# KiCad board MoBo_V2-1.kicad_pcb
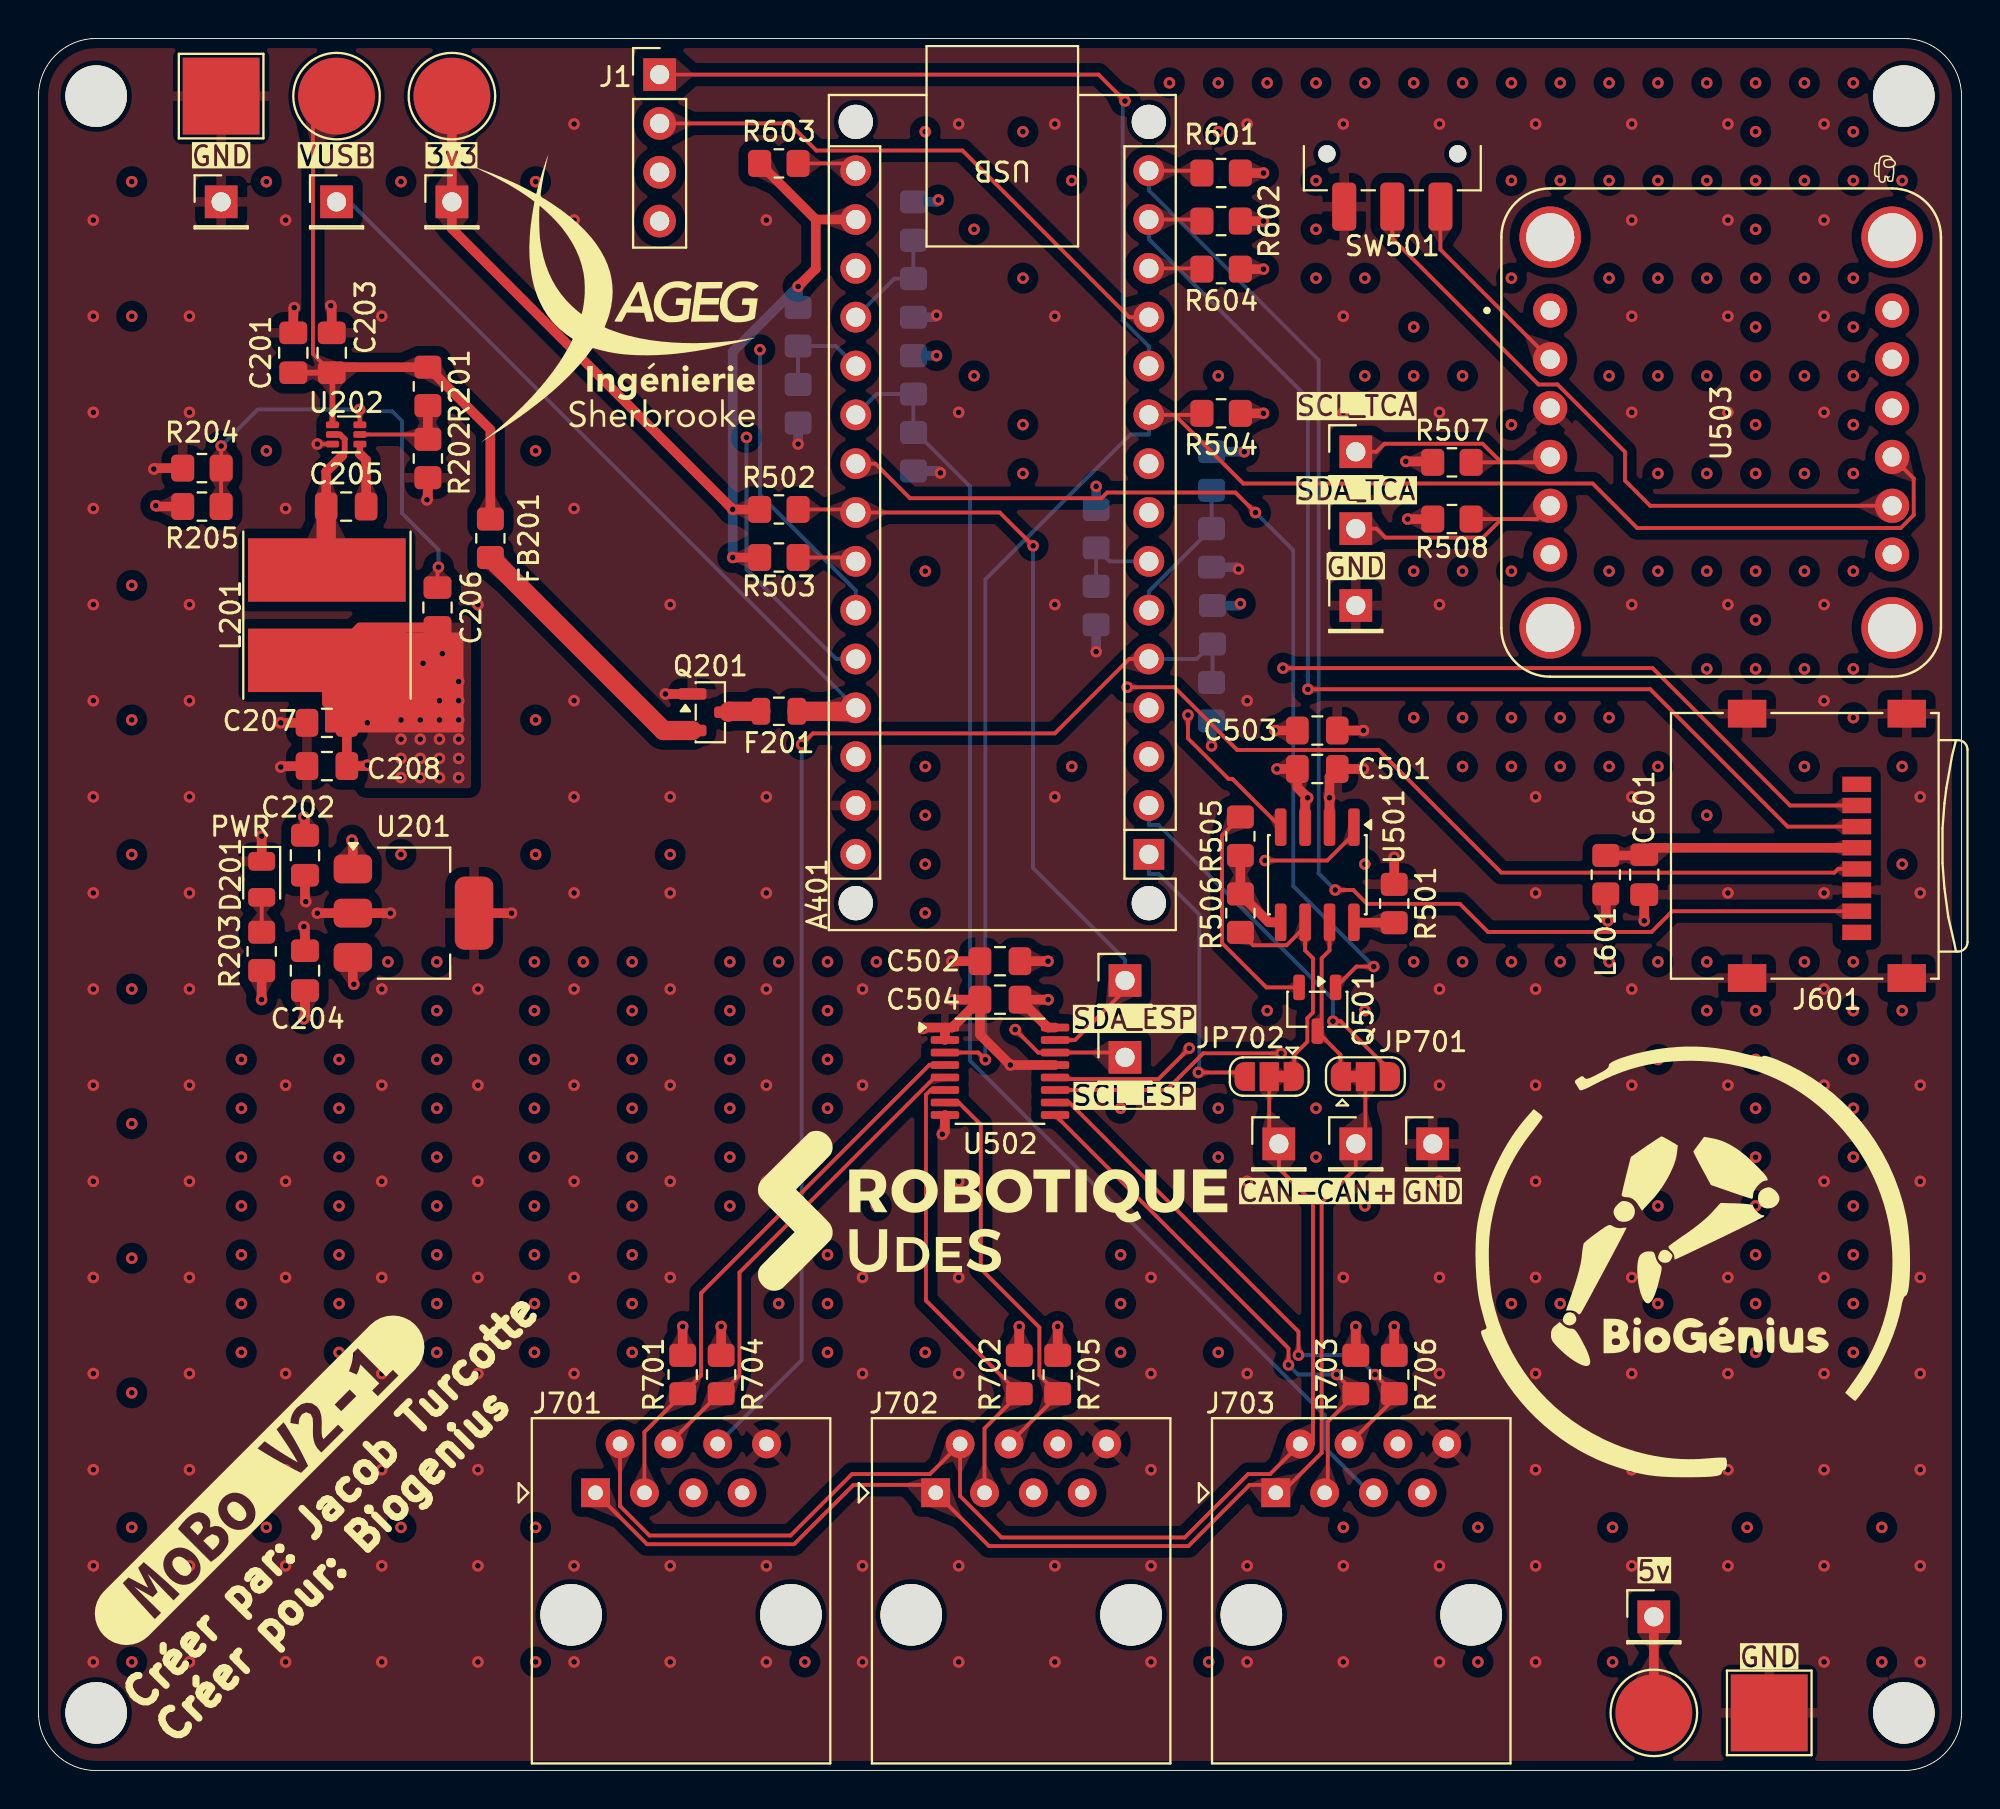
[diagram p0: board, top side]
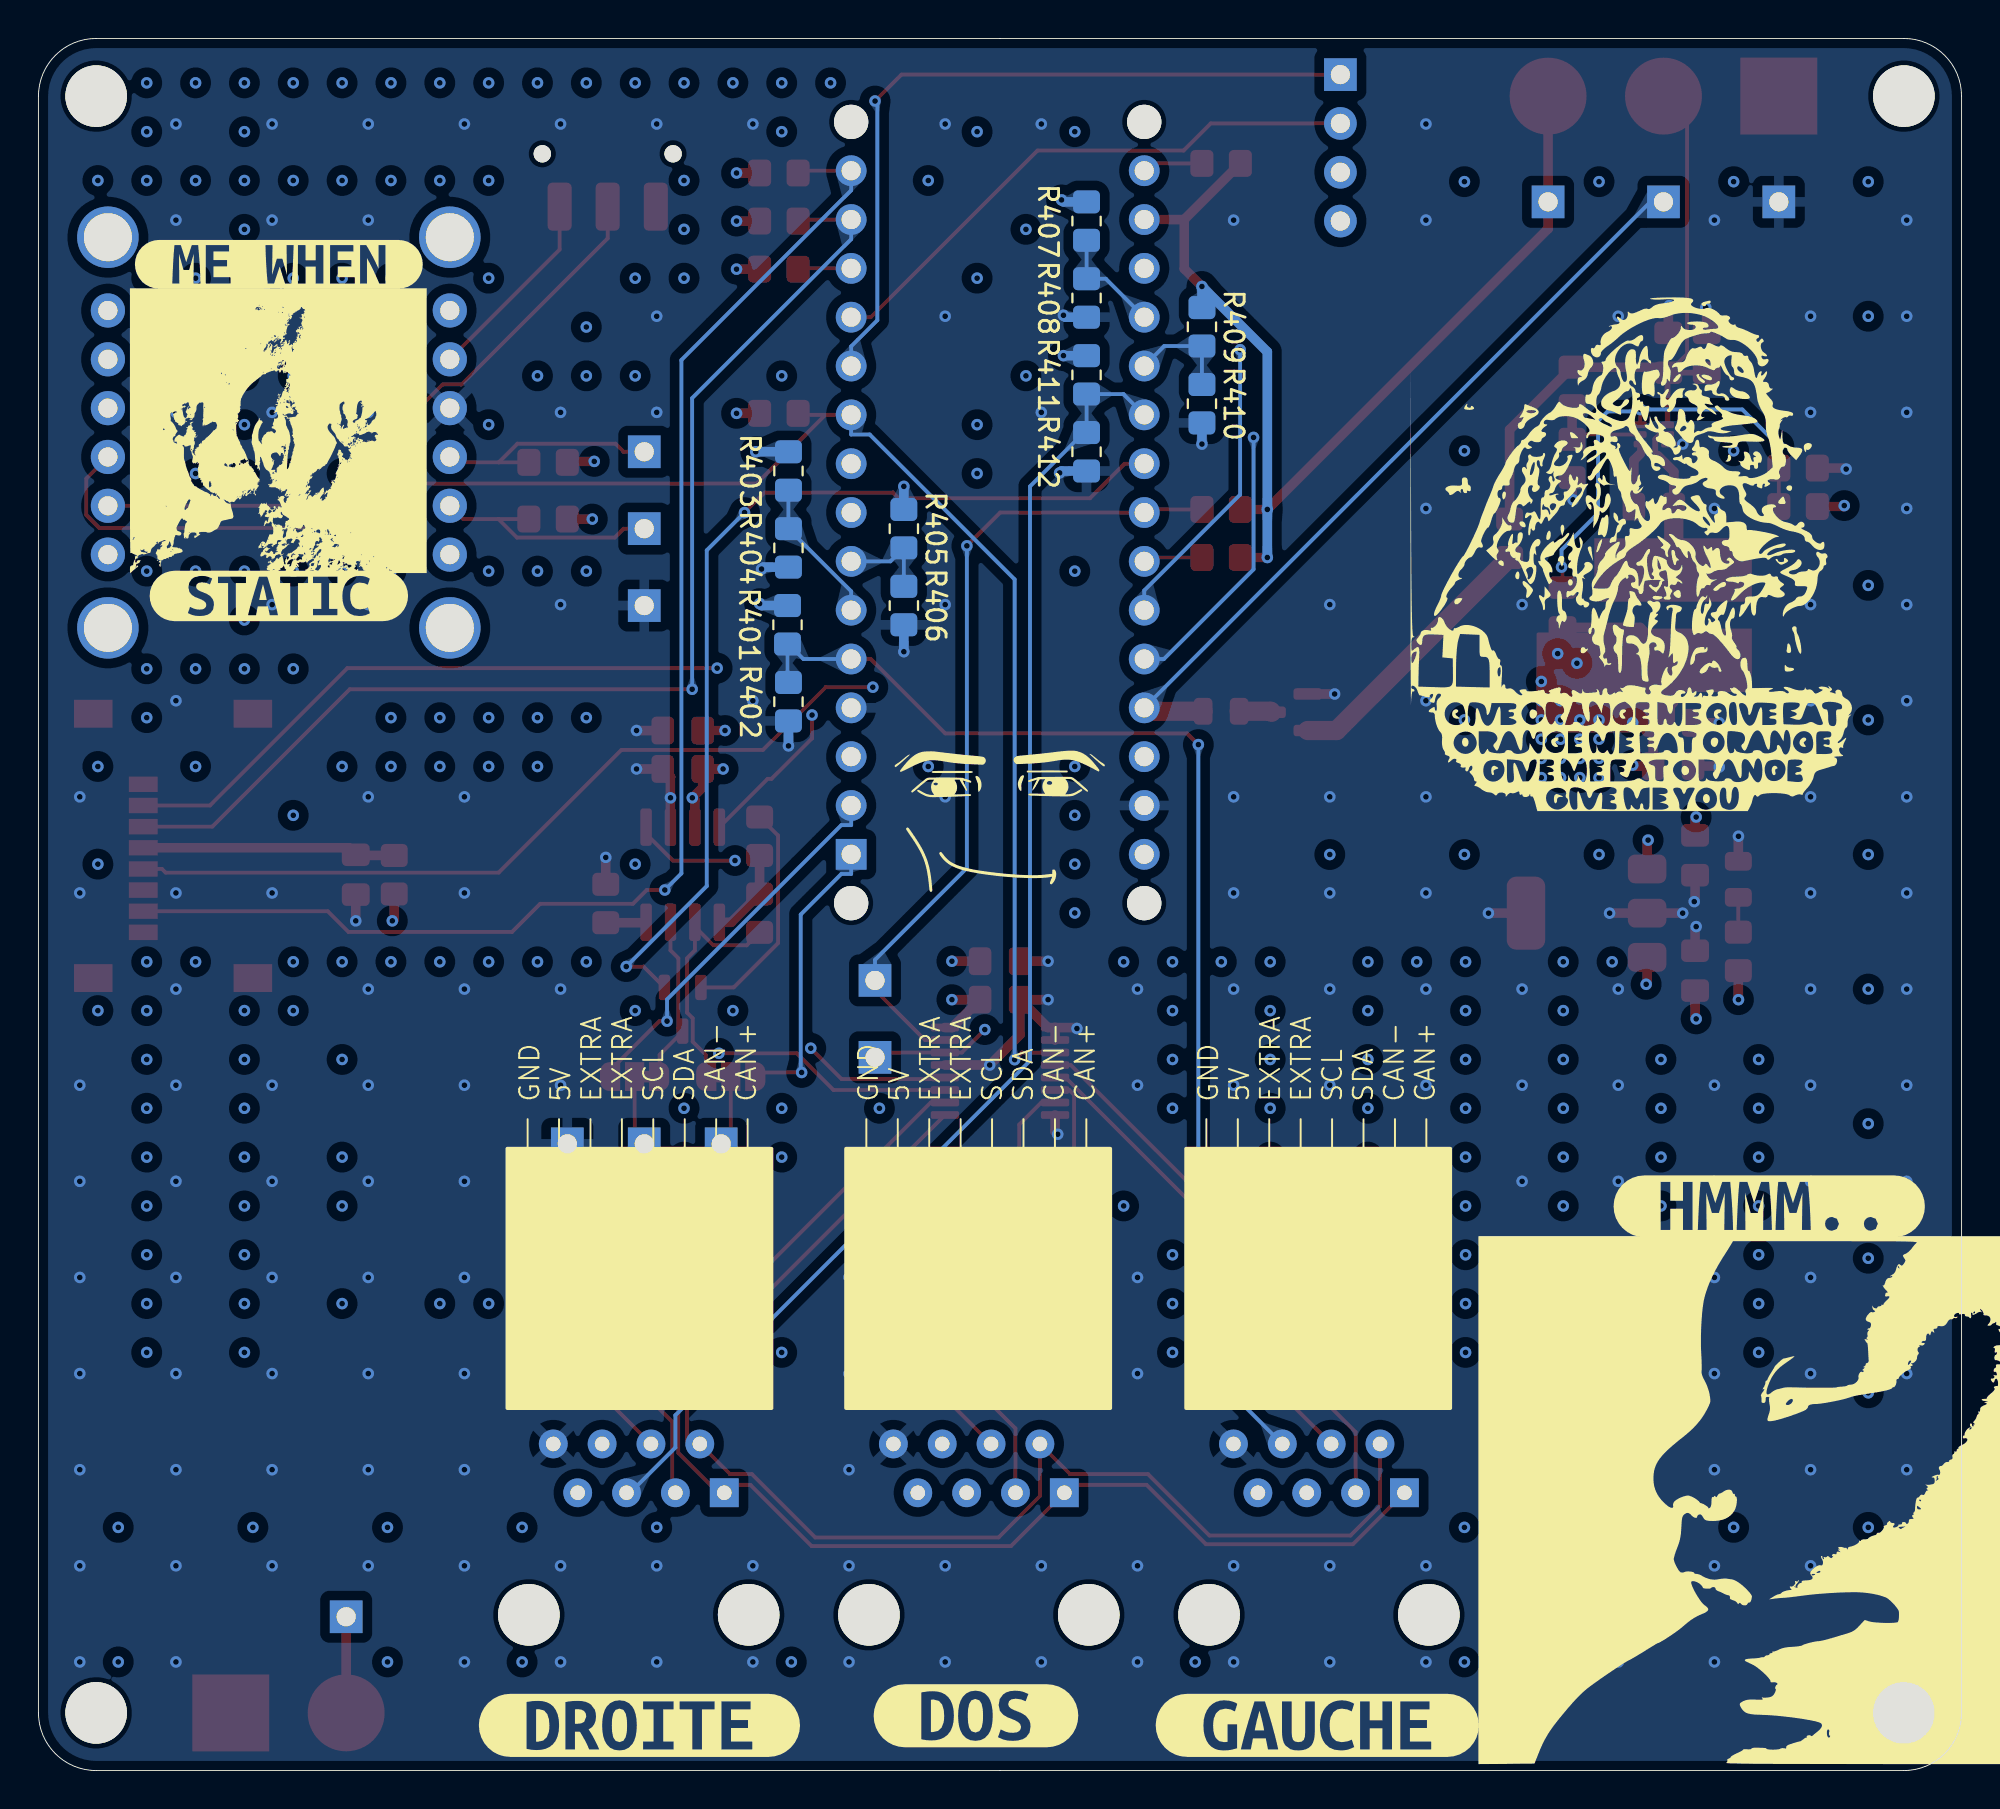
[diagram p1: board, bottom side, seen from below]

Outline 100 x 90.1 mm; copper layers: Top, In1.Cu, In2.Cu, Bottom. Coordinates in mm from the lower left corner of the outline.
Outline path: 0,87.1 arc(0.88,89.22) 3,90.1 97,90.1 arc(99.12,89.22) 100,87.1 100,3 arc(99.12,0.88) 97,0 3,0 arc(0.88,0.88) 0,3 0,87.1
Stack: Top 0.035mm / dielectric 0.1mm FR4 er 4.5 / In1.Cu 0.035mm / dielectric 1.24mm FR4 er 4.5 / In2.Cu 0.035mm / dielectric 0.1mm FR4 er 4.5 / Bottom 0.035mm

## Placement (name value [footprint] x y rotation side)
3v3  3v3  [PinHeader_1x01_P2.54mm_Vertical]  21.5 81.6 0 top
5v  5v  [PinHeader_1x01_P2.54mm_Vertical]  84 8 0 top
A401  Arduino_Nano_ESP32  [Arduino_Nano_WithMountingHoles]  57.74 47.66 180 top
C201  10µF  [C_0805_2012Metric_Pad1.18x1.45mm_HandSolder]  13.25 73.75 90 top
C202  4,7µF  [C_0805_2012Metric_Pad1.18x1.45mm_HandSolder]  13.86 47.61 90 top
C203  0,1µF  [C_0805_2012Metric_Pad1.18x1.45mm_HandSolder]  15.25 73.75 90 top
C204  4,7µF  [C_0805_2012Metric_Pad1.18x1.45mm_HandSolder]  13.86 41.61 270 top
C205  0,1µF  [C_0805_2012Metric_Pad1.18x1.45mm_HandSolder]  16 65.75 0 top
C206  33pF  [C_0805_2012Metric_Pad1.18x1.45mm_HandSolder]  20.75 60.5 90 top
C207  22µF  [C_0805_2012Metric_Pad1.18x1.45mm_HandSolder]  15 54.5 180 top
C208  0,1µF  [C_0805_2012Metric_Pad1.18x1.45mm_HandSolder]  15 52.25 180 top
C501  1µF  [C_0805_2012Metric_Pad1.18x1.45mm_HandSolder]  66.5 52.1 0 top
C502  10µF  [C_0805_2012Metric_Pad1.18x1.45mm_HandSolder]  50 42.1 180 top
C503  0.1µF  [C_0805_2012Metric_Pad1.18x1.45mm_HandSolder]  66.5 54.1 0 top
C504  0.1µF  [C_0805_2012Metric_Pad1.18x1.45mm_HandSolder]  50 40.1 180 top
C601  47µF  [C_0805_2012Metric_Pad1.18x1.45mm_HandSolder]  83.5 46.6 270 top
CAN+  CAN+  [PinHeader_1x01_P2.54mm_Vertical]  68.5 32.6 0 top
CAN-  CAN-  [PinHeader_1x01_P2.54mm_Vertical]  64.5 32.6 0 top
D201  Green_power  [D_0805_2012Metric]  11.61 46.36 270 top
F201  SMD0805B110TF  [Fuse_0805_2012Metric]  38.5 55.1 180 top
FB201  600 @ 100MHz  [R_0805_2012Metric_Pad1.20x1.40mm_HandSolder]  23.5 64.1 90 top
G***  -  [LOGO]  49.5 29.1 0 top
G***#2  -  [LOGO]  30 76.6 0 top
GND  GND  [PinHeader_1x01_P2.54mm_Vertical]  9.5 81.6 0 top
GND#2  GND  [PinHeader_1x01_P2.54mm_Vertical]  72.5 32.6 0 top
GND#3  GND  [PinHeader_1x01_P2.54mm_Vertical]  68.5 60.6 0 top
GND#4  TP_GND_OUT  [TestPoint_Pad_4.0x4.0mm]  90 3 0 top
H1  MountingHole  [MountingHole_3.2mm_M3_ISO14580]  97 87.1 0 top
H2  MountingHole  [MountingHole_3.2mm_M3_ISO14580]  3 87.1 0 top
H3  MountingHole  [MountingHole_3.2mm_M3_ISO14580]  3 3 0 top
H4  MountingHole  [MountingHole_3.2mm_M3_ISO14580]  97 3 0 top
J1  Conn_01x04_Socket  [PinHeader_1x04_P2.54mm_Vertical]  32.3 88.22 0 top
J601  Micro_SD_Card  [microSD_HC_Wuerth_693072010801]  93 48.1 270 top
J701  RJ45  [RJ45_Amphenol_54602-x08_Horizontal]  28.97 14.45 0 top
J702  RJ45  [RJ45_Amphenol_54602-x08_Horizontal]  46.66 14.45 0 top
J703  RJ45  [RJ45_Amphenol_54602-x08_Horizontal]  64.34 14.45 0 top
JP701  SolderJumper_3_Bridged12  [SolderJumper-3_P1.3mm_Bridged12_RoundedPad1.0x1.5mm]  69 36.1 0 top
JP702  SolderJumper_3_Bridged12  [SolderJumper-3_P1.3mm_Bridged12_RoundedPad1.0x1.5mm]  64 36.1 180 top
kibuzzard-699E8A71  G***  [kibuzzard-699E8A71]  10 29.35 180 bottom
kibuzzard-699E8B4C  G***  [kibuzzard-699E8B4C]  87.5 78.35 180 bottom
kibuzzard-699E8B62  G***  [kibuzzard-699E8B62]  87.5 61.1 180 bottom
kibuzzard-699E88C2  G***  [kibuzzard-699E88C2]  68.75 2.35 180 bottom
kibuzzard-699E88D0  G***  [kibuzzard-699E88D0]  51.25 2.85 180 bottom
kibuzzard-699E859F  G***  [kibuzzard-699E859F]  11.5 15.1 45 top
kibuzzard-699E8895  G***  [kibuzzard-699E8895]  33.5 2.35 180 bottom
L201  3,3µH 20mOhm  [L_TDK_VLP8040]  15 60.1 270 top
L601  600R  [R_0805_2012Metric_Pad1.20x1.40mm_HandSolder]  81.5 46.6 270 top
Q201  AO3401A  [SOT-23]  34.94 55.05 0 top
Q501  MMBT3904  [SOT-23-3]  66.5 39.6 270 top
R201  100k  [R_0805_2012Metric_Pad1.20x1.40mm_HandSolder]  20.25 72 270 top
R202  28k  [R_0805_2012Metric_Pad1.20x1.40mm_HandSolder]  20.25 68.25 270 top
R203  330  [R_0805_2012Metric_Pad1.20x1.40mm_HandSolder]  11.61 42.61 90 top
R204  158k  [R_0805_2012Metric_Pad1.20x1.40mm_HandSolder]  8.5 65.75 0 top
R205  30k  [R_0805_2012Metric_Pad1.20x1.40mm_HandSolder]  8.5 67.75 180 top
R401  NC  [R_0805_2012Metric_Pad1.20x1.40mm_HandSolder]  61.05 59.6 270 bottom
R402  NC  [R_0805_2012Metric_Pad1.20x1.40mm_HandSolder]  61 55.6 270 bottom
R403  NC  [R_0805_2012Metric_Pad1.20x1.40mm_HandSolder]  61 67.6 270 bottom
R404  NC  [R_0805_2012Metric_Pad1.20x1.40mm_HandSolder]  61 63.6 270 bottom
R405  NC  [R_0805_2012Metric_Pad1.20x1.40mm_HandSolder]  55 64.6 270 bottom
R406  NC  [R_0805_2012Metric_Pad1.20x1.40mm_HandSolder]  55 60.6 270 bottom
R407  NC  [R_0805_2012Metric_Pad1.20x1.40mm_HandSolder]  45.5 80.6 270 bottom
R408  NC  [R_0805_2012Metric_Pad1.20x1.40mm_HandSolder]  45.5 76.6 270 bottom
R409  NC  [R_0805_2012Metric_Pad1.20x1.40mm_HandSolder]  39.5 75.1 270 bottom
R410  NC  [R_0805_2012Metric_Pad1.20x1.40mm_HandSolder]  39.5 71.1 270 bottom
R411  NC  [R_0805_2012Metric_Pad1.20x1.40mm_HandSolder]  45.5 72.6 270 bottom
R412  NC  [R_0805_2012Metric_Pad1.20x1.40mm_HandSolder]  45.5 68.6 270 bottom
R501  10k  [R_0805_2012Metric_Pad1.20x1.40mm_HandSolder]  70.5 45.1 270 top
R502  1k  [R_0805_2012Metric_Pad1.20x1.40mm_HandSolder]  38.5 65.6 0 top
R503  1k  [R_0805_2012Metric_Pad1.20x1.40mm_HandSolder]  38.5 63.1 0 top
R504  1k  [R_0805_2012Metric_Pad1.20x1.40mm_HandSolder]  61.5 70.6 180 top
R505  60  [R_0805_2012Metric_Pad1.20x1.40mm_HandSolder]  62.5 48.6 270 top
R506  60  [R_0805_2012Metric_Pad1.20x1.40mm_HandSolder]  62.5 44.6 270 top
R507  1k  [R_0805_2012Metric_Pad1.20x1.40mm_HandSolder]  73.5 68.05 0 top
R508  1k  [R_0805_2012Metric_Pad1.20x1.40mm_HandSolder]  73.5 65.1 0 top
R601  47k  [R_0805_2012Metric_Pad1.20x1.40mm_HandSolder]  61.5 83.1 180 top
R602  47k  [R_0805_2012Metric_Pad1.20x1.40mm_HandSolder]  61.5 80.6 180 top
R603  47k  [R_0805_2012Metric_Pad1.20x1.40mm_HandSolder]  38.5 83.6 0 top
R604  47k  [R_0805_2012Metric_Pad1.20x1.40mm_HandSolder]  61.5 78.1 180 top
R701  1k  [R_0805_2012Metric_Pad1.20x1.40mm_HandSolder]  33.5 20.6 270 top
R702  1k  [R_0805_2012Metric_Pad1.20x1.40mm_HandSolder]  51 20.6 270 top
R703  1k  [R_0805_2012Metric_Pad1.20x1.40mm_HandSolder]  68.5 20.6 270 top
R704  1k  [R_0805_2012Metric_Pad1.20x1.40mm_HandSolder]  35.5 20.6 270 top
R705  1k  [R_0805_2012Metric_Pad1.20x1.40mm_HandSolder]  53 20.6 270 top
R706  1k  [R_0805_2012Metric_Pad1.20x1.40mm_HandSolder]  70.5 20.6 270 top
SCL_ESP  SCL  [PinHeader_1x01_P2.54mm_Vertical]  56.5 37.1 0 top
SCL_TCA  SCL  [PinHeader_1x01_P2.54mm_Vertical]  68.5 68.6 0 top
SDA_ESP  SDA  [PinHeader_1x01_P2.54mm_Vertical]  56.5 41.1 0 top
SDA_TCA  SDA  [PinHeader_1x01_P2.54mm_Vertical]  68.5 64.6 0 top
SW501  SW_SPDT  [SW_SPDT_CK_JS102011SAQN]  70.4 84.1 180 top
TP201  TP_GND_IN  [TestPoint_Pad_4.0x4.0mm]  9.5 87.1 0 top
TP202  VUSB  [TestPoint_Pad_D4.0mm]  15.5 87.1 0 top
TP203  TP_3v3  [TestPoint_Pad_D4.0mm]  21.5 87.1 0 top
TP204  TP_5V  [TestPoint_Pad_D4.0mm]  84 3 0 top
U201  AP7361C-33E  [SOT-223-3_TabPin2]  19.5 44.6 0 top
U202  TPS562242DRLR  [SOT-563]  16 69.5 0 top
U501  SN65HVD230  [SOIC-8_3.9x4.9mm_P1.27mm]  66.5 46.6 270 top
U502  TCA9546APW  [TSSOP-16_4.4x5mm_P0.65mm]  50 36.38 0 top
U503  4754  [BNO085]  87.5 69.6 270 top
VUSB  VUSB  [PinHeader_1x01_P2.54mm_Vertical]  15.5 81.6 0 top

## Library data of the parts
3v3 5v CAN+ CAN- GND GND#2 GND#3 SCL_ESP SCL_TCA SDA_ESP SDA_TCA VUSB = -: Description: test point (alternative shape); ki_fp_filters: Pin* Test*
A401 = -: Datasheet: https://docs.arduino.cc/resources/datasheets/ABX00083-datasheet.pdf; Description: Arduino Nano board based on the ESP32-S3 with a dual-core 240 MHz processor, 384 kB ROM, 512 kB SRAM. Operates at 3.3V, with 5V USB-C® input and 6-21V VIN. Features Wi-Fi®, Bluetooth® LE, digital and analog pins, and supports SPI, I2C, UART, I2S, and CAN.; ki_fp_filters: Arduino*Nano*
C201-C208 C501-C504 C601 = -: Description: Unpolarized capacitor; ki_fp_filters: C_*
D201 = -: Description: Light emitting diode; ki_fp_filters: LED* LED_SMD:* LED_THT:*
F201 = -: Description: Resettable fuse, polymeric positive temperature coefficient, small symbol; ki_fp_filters: *polyfuse* *PTC*
FB201 = -: Description: Ferrite bead, small symbol; ki_fp_filters: Inductor_* L_* *Ferrite*
GND#4 TP201-TP204 = -: Description: test point; ki_fp_filters: Pin* Test*
H1-H4 = -: Description: Mounting Hole without connection; ki_fp_filters: MountingHole*
J1 = -: Description: Generic connector, single row, 01x04, script generated; ki_fp_filters: Connector*:*_1x??_*
J601 = -: Datasheet: https://www.we-online.com/components/products/datasheet/693072010801.pdf; Description: Micro SD Card Socket; ki_fp_filters: microSD*
J701-J703 = -: Description: RJ connector, 8P8C (8 positions 8 connected); ki_fp_filters: 8P8C* RJ31* RJ32* RJ33* RJ34* RJ35* RJ41* RJ45* RJ49* RJ61*
JP701 JP702 = -: Description: 3-pole Solder Jumper, pins 1+2 closed/bridged; ki_fp_filters: SolderJumper*Bridged12*
L201 = -: Description: Inductor; ki_fp_filters: Choke_* *Coil* Inductor_* L_*
L601 = -: Description: Inductor with ferrite core; ki_fp_filters: Choke_* *Coil* Inductor_* L_*
Q201 = -: Datasheet: http://www.aosmd.com/pdfs/datasheet/AO3401A.pdf; Description: -4.0A Id, -30V Vds, P-Channel MOSFET, SOT-23; ki_fp_filters: SOT?23*
Q501 = -: Datasheet: https://www.onsemi.com/pdf/datasheet/pzt3904-d.pdf; Description: 0.2A Ic, 40V Vce, Small Signal NPN Transistor, SOT-23; Sim.Device: NPN; Sim.Pins: 1=B 2=E 3=C; ki_fp_filters: SOT?23*
R201-R205 R401-R412 R501-R508 R601-R604 R701-R706 = -: Description: Resistor, US symbol; ki_fp_filters: R_*
SW501 = -: Description: Switch, single pole double throw
U201 = -: Datasheet: https://www.diodes.com/assets/Datasheets/AP7361C.pdf; Description: 1A Low Dropout regulator, positive, 3.3V fixed output, SOT-223; ki_fp_filters: SOT?223*
U202 = -: Datasheet: https://www.ti.com/lit/gpn/tps562202; Description: 2A Synchronous Step-Down Voltage Regulator 580kHz, adjustable output voltage, 4.5-17V Input Voltage, 0.804V-7V Output Voltage, SOT-563; ki_fp_filters: SOT?563*
U501 = -: Datasheet: http://www.ti.com/lit/ds/symlink/sn65hvd230.pdf; Description: CAN Bus Transceivers, 3.3V, 1Mbps, Low-Power capabilities, SOIC-8; ki_fp_filters: SOIC*3.9x4.9mm*P1.27mm*
U502 = -: Datasheet: https://www.ti.com/lit/ds/symlink/tca9546a.pdf; Description: I2C SMBus Hub, 4 Channels, Reset, Multiple Addresses,TSSOP-16; ki_fp_filters: TSSOP*4.4x5mm*P0.65mm*
U503 = -: MF: Adafruit; MAXIMUM_PACKAGE_HEIGHT: 4.6mm; Package: None; Price: None; Check_prices: https://www.snapeda.com/parts/4754/Adafruit+Industries/view-part/?ref=eda; STANDARD: Manufacturer Recommendations; PARTREV: 2021-03-16; SnapEDA_Link: https://www.snapeda.com/parts/4754/Adafruit+Industries/view-part/?ref=snap; Description_1: Adafruit 9-DOF Orientation IMU Fusion Breakout - BNO085 (BNO080) - STEMMA QT / Qwiic; MANUFACTURER: Adafruit; Availability: In Stock